# Altium PCB PCB1.PcbDoc (part 2 of 2)
Units mil, origin at the board's own origin, x right, y up, seen from the top; angles counter-clockwise.
Board outline 2485 x 2170 mil, 4 copper layers (Top Layer, Internal Plane 1, Internal Plane 2, Bottom Layer); 41 components, 55 nets, 243 pads, 38 vias.
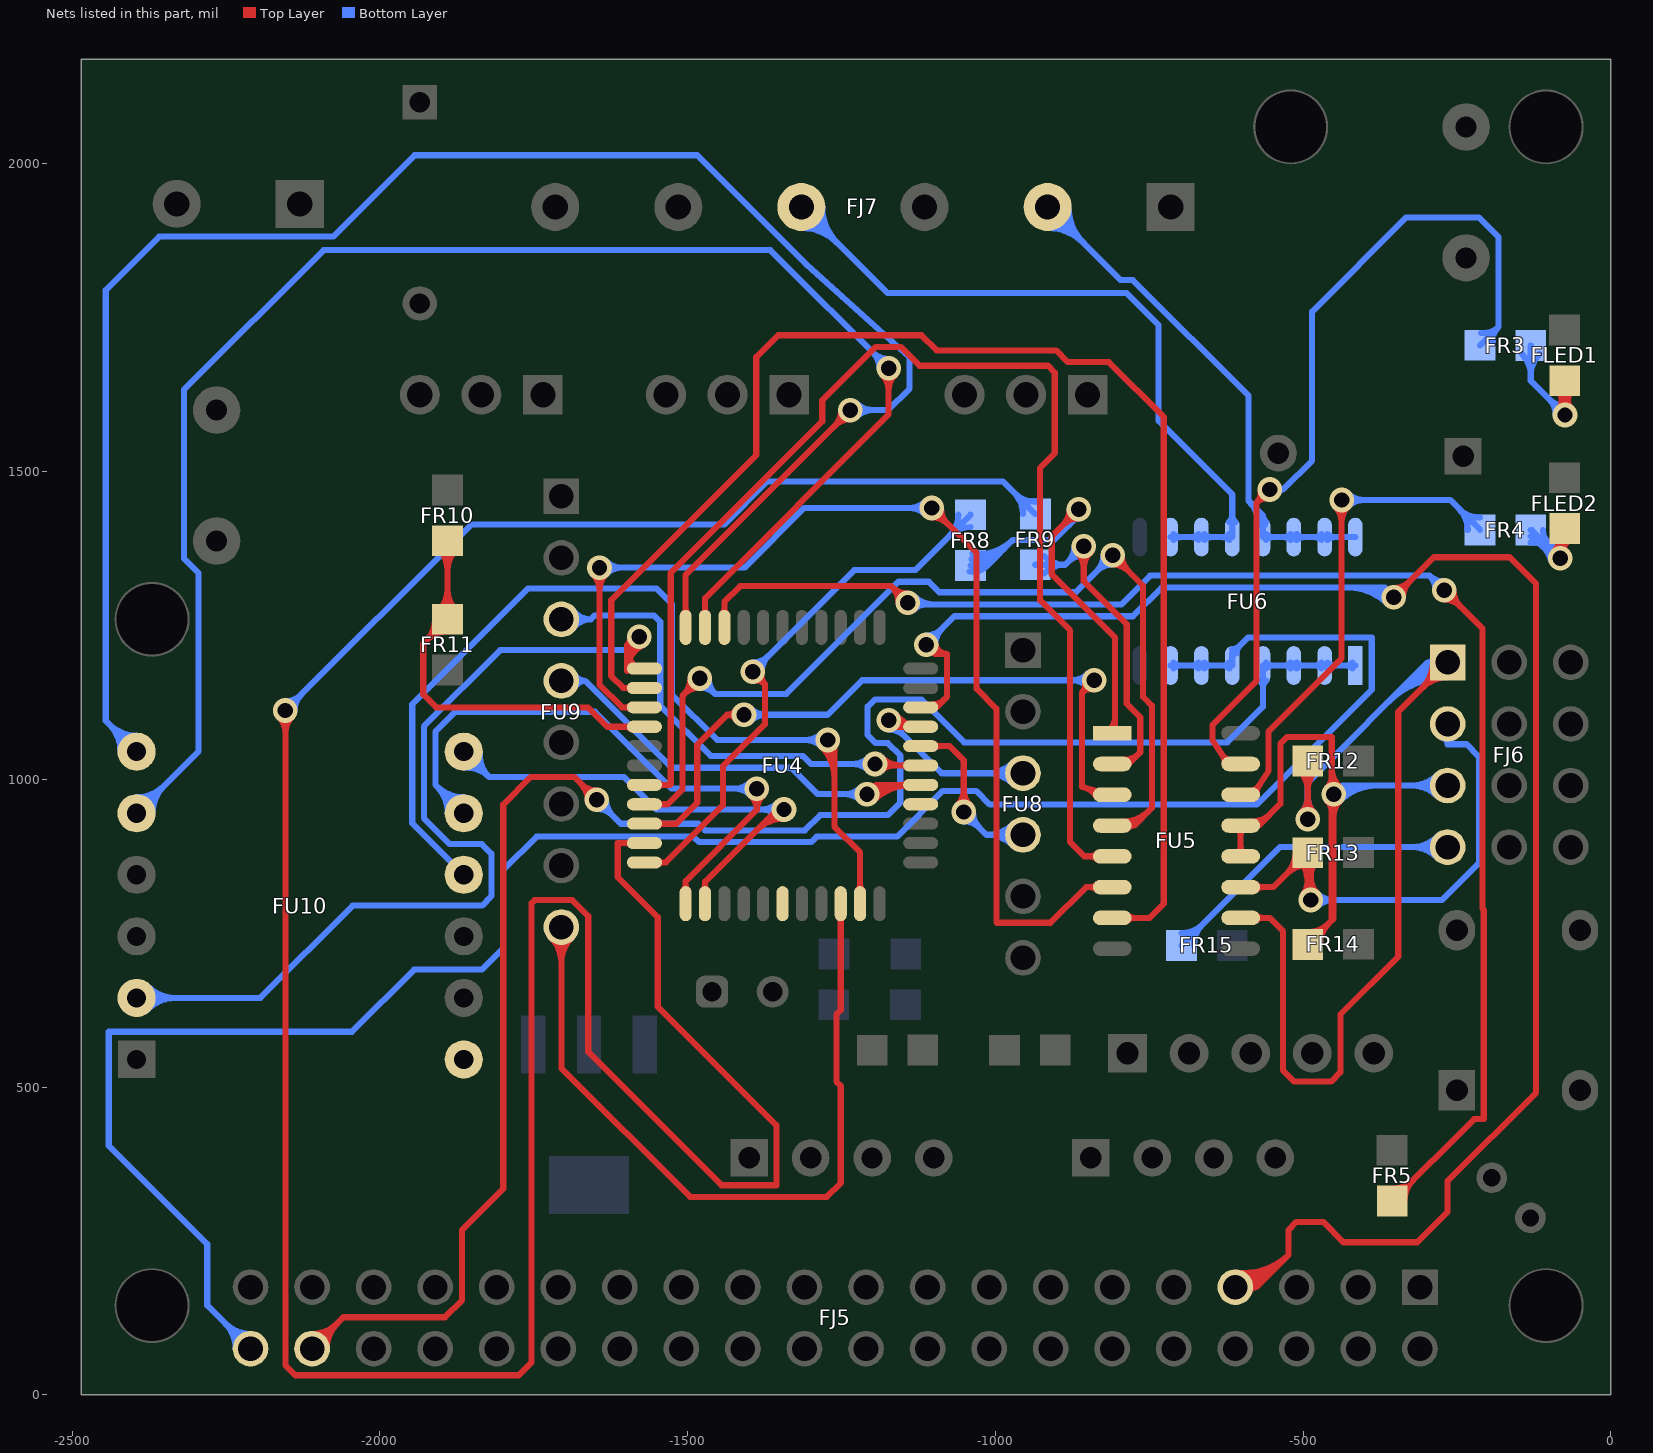
[diagram p4: the nets of this part, all layers, seen from the top]

## Via types
v1: diameter 40, hole 25, Top Layer to Bottom Layer, 38 vias

## Nets (pads, with @x,y where several pads share a name; then routed paths per layer and width w, separated by ;. In a path a pad name is that pad's centre, name@x,y a point inside that pad or via, vN(x,y) a via of type N, cw(c..) or ccw(c..) an arc to the next point about the centre after c; other vN are vias at no path point) (continued)
NetFJ5_7: FJ5.7 FU4.31 | length 3435.3
  Top Layer w10: FU4.31@-1121.18,1117.01 -1095.29,1117.01 -1078.64,1133.66 -1078.64,1203.84 ; v1(-1112.29,1218.99) -1112.29,1217.99 -1098.14,1203.84 ; v1@-1107.32,1219.54 ccw(c-1089.8,1221.47) -1089.8,1203.84 ; v1@-1106.14,1205.31 cw(c-1103.21,1198.78) -1098.14,1203.84 ; FU4.31@-1102.48,1121.85 ccw(c-1102.48,1150.89) -1081.94,1130.36 ; v1@-1099.22,1211.64 ccw(c-1093.54,1208.45) -1098.14,1203.84 ; v1@-1097.38,1220.64 ccw(c-1078.64,1222.7) -1078.64,1203.84 ; FJ5.7@-610.71,169.04 ccw(c-604.47,221.43) -567.16,184.12 ; FJ5.7@-610,175 -576.28,175 ; FJ5.7@-609.53,178.97 ccw(c-601.36,247.45) -552.6,198.69 ; FJ5.7@-608.34,188.9 ccw(c-598.26,273.48) -538.03,213.25 ; FJ5.7@-607.16,198.83 ccw(c-595.16,299.5) -523.47,227.81 ; FJ5.7@-587.32,167.14 cw(c-576.29,163.32) -576.29,175 ; FJ5.7@-587.32,182.86 ccw(c-576.29,186.68) -576.29,175 ; v1(-352.29,1295.99) -287.29,1360.99 -164.29,1360.99 -121.29,1317.99 -121.29,490.99 -265.29,346.99 -265.29,296.99 -314.29,247.99 -434.29,247.99 -467.19,280.89 -510.57,280.89 -523.47,267.99 -523.47,227.82 ; v1@-352.29,1310.99 ccw(c-352.29,1347.21) -326.69,1321.6 ccw(c-301.08,1295.99) v1@-337.29,1295.99 ; -1098.14,1203.84 -1078.64,1203.84 ; -576.28,175 -523.47,227.82
  Bottom Layer w10: v1(-1112.29,1218.99) -1066.29,1264.99 -776.29,1264.99 -729.79,1311.49 -367.29,1311.49 -352.29,1296.49 v1(-352.29,1295.99) ; v1@-1112.29,1233.99 ccw(c-1112.29,1270.21) -1086.69,1244.6 ccw(c-1061.08,1218.99) v1@-1097.29,1218.99 ; -425.93,1311.49 cw(c-425.93,1222.36) v1@-362.9,1285.39 ; -401.78,1311.49 cw(c-401.78,1246.5) v1@-355.83,1292.46 ; -377.64,1311.49 cw(c-377.64,1270.64) v1@-348.76,1299.53
NetFJ5_38: FJ5.38 FU6.1 FU6.2 FU6.3 FU6.4 | length 3373.1
  Top Layer w10: FJ5.38@-2110,75 -2059.01,125.99 -1894.29,125.99 -1866.29,153.99 -1866.29,267.99 -1799.29,334.99 -1799.29,958.99 -1754.29,1003.99 -1684.29,1003.99 v1(-1647.29,966.99) ; FJ5.38@-2110,89 ccw(c-2110,122.8) -2086.1,98.9 ccw(c-2062.2,75) FJ5.38@-2096,75 ; FJ5.38@-2110,99 ccw(c-2110,156.94) -2069.03,115.97 ccw(c-2028.06,75) FJ5.38@-2086,75 ; v1@-1662.29,966.99 ccw(c-1698.51,966.99) -1672.9,992.6 ccw(c-1647.29,1018.21) v1@-1647.29,981.99
  Bottom Layer w10: v1@-1647.29,951.99 cw(c-1647.29,915.78) -1621.69,941.39 cw(c-1596.08,966.99) v1@-1632.29,966.99 ; v1(-1647.29,966.99) -1608.29,927.99 -1482.29,927.99 -1471.29,916.99 -1309.29,916.99 -1284.29,941.99 -1174.29,941.99 -1154.29,961.99 -1154.29,1038.99 -1174.29,1058.99 -1194.29,1058.99 -1207.29,1071.99 -1207.29,1117.99 -1195.29,1129.99 -1120.29,1129.99 -1050.29,1059.99 -623,1059.99 -565,1117.99 FU6.4@-565,1185 FU6.3@-515,1185 FU6.2@-465,1185 FU6.1@-415,1185 ; FU6.4@-569.82,1160.5 cw(c-581.44,1148.87) -565,1148.87 cw(c-548.56,1148.87) FU6.4@-560.18,1160.5 ; FU6.4@-560.18,1180.18 cw(c-548.56,1168.56) -548.56,1185 cw(c-548.56,1201.44) FU6.4@-560.18,1189.82 ; FU6.3@-519.82,1180.18 ccw(c-531.44,1168.56) -531.44,1185 ccw(c-531.44,1201.44) FU6.3@-519.82,1189.82 ; FU6.3@-510.18,1180.18 cw(c-498.56,1168.56) -498.56,1185 cw(c-498.56,1201.44) FU6.3@-510.18,1189.82 ; FU6.2@-469.82,1180.18 ccw(c-481.44,1168.56) -481.44,1185 ccw(c-481.44,1201.44) FU6.2@-469.82,1189.82 ; FU6.2@-460.18,1180.18 cw(c-448.56,1168.56) -448.56,1185 cw(c-448.56,1201.44) FU6.2@-460.18,1189.82 ; FU6.1@-419.82,1180.18 ccw(c-431.44,1168.56) -431.44,1185 ccw(c-431.44,1201.44) FU6.1@-419.82,1189.82
NetFJ5_40: FJ5.40 FU6.5 FU6.6 FU6.7 | length 3708.3
  Bottom Layer w10: FJ5.40@-2234,75 ccw(c-2291.94,75) -2250.97,115.97 ccw(c-2210,156.94) FJ5.40@-2210,99 ; FJ5.40@-2224,75 ccw(c-2257.8,75) -2233.9,98.9 ccw(c-2210,122.8) FJ5.40@-2210,89 ; FJ5.40@-2210,75 -2280.29,145.29 -2280.29,244.99 -2440.29,404.99 -2440.29,589.99 -2045.29,589.99 -1944.29,690.99 -1834.29,690.99 -1799.5,725.78 -1799.5,852.78 -1745.29,906.99 -1490.29,906.99 -1481.29,897.99 -1299.29,897.99 -1290.29,906.99 -1159.56,906.99 -1085.29,981.26 -1031.08,981.26 -1008.81,958.99 -574.85,958.99 -388.29,1145.55 -388.29,1230.5 -589.49,1230.5 -615,1204.99 FU6.5@-615,1185 FU6.6@-665,1185 FU6.7@-715,1185 ; FU6.7@-710.18,1180.18 cw(c-698.56,1168.56) -698.56,1185 cw(c-698.56,1201.44) FU6.7@-710.18,1189.82 ; FU6.6@-669.82,1180.18 ccw(c-681.44,1168.56) -681.44,1185 ccw(c-681.44,1201.44) FU6.6@-669.82,1189.82 ; FU6.6@-660.18,1180.18 cw(c-648.56,1168.56) -648.56,1185 cw(c-648.56,1201.44) FU6.6@-660.18,1189.82 ; FU6.5@-619.82,1180.18 ccw(c-631.44,1168.56) -631.44,1185 ccw(c-631.44,1201.44) FU6.5@-619.82,1189.82 ; FU6.5@-615,1211.5 ccw(c-615,1227.2) -603.9,1216.1 ; FU6.5@-608.19,1204.69 cw(c-591,1204.69) -603.16,1216.84
NetFJ6_1: FJ6.1 FR12.2 FU5.10 | length 2308.1
  Top Layer w10: FU5.10@-601.34,775 -554.29,775 -532.29,753 -532.29,526.99 -514.29,508.99 -454.29,508.99 -439.29,523.99 -439.29,617.99 -345.29,711.99 -345.29,1109.71 FJ6.1@-265,1190 ; FU5.10@-576.84,770.18 cw(c-565.21,758.56) -565.21,775 cw(c-565.21,791.44) FU5.10@-576.84,779.82 ; FR12.2@-506.44,1015.66 cw(c-540.58,981.52) -492.3,981.52 cw(c-444.02,981.52) FR12.2@-478.16,1015.66 ; v1@-502.91,945.6 ccw(c-528.51,971.21) -492.3,971.21 ccw(c-456.09,971.21) v1@-481.69,945.6 ; v1(-492.3,934.99) FR12.2@-492.3,1029.8 ; FJ6.1@-289,1190 cw(c-346.94,1190) -305.97,1149.03 cw(c-265,1108.06) FJ6.1@-265,1166 ; FJ6.1@-279,1190 cw(c-312.8,1190) -288.9,1166.1 cw(c-265,1142.2) FJ6.1@-265,1176
  Bottom Layer w10: v1@-502.91,945.6 ccw(c-528.51,971.21) -492.3,971.21 ccw(c-456.09,971.21) v1@-481.69,945.6 ; v1(-492.3,934.99) -492.3,994.87 -297.17,1190 ; -360.88,1126.28 cw(c-265,1030.4) FJ6.1@-265,1166 ; -343.81,1143.36 cw(c-265,1064.55) FJ6.1@-265,1176 ; -326.74,1160.43 cw(c-265,1098.69) FJ6.1@-265,1186 ; -309.67,1177.5 cw(c-265,1132.83) FJ6.1@-265,1196 ; FJ6.1@-288.01,1183.17 ccw(c-297.17,1180.45) -297.17,1190 ; FJ6.1@-288.01,1196.83 cw(c-297.17,1199.55) -297.17,1190 ; FJ6.1@-265,1190 -297.17,1190
NetFJ6_4: FJ6.4 FR13.2 FU5.11 | length 1221.9
  Top Layer w10: FU5.11@-601.34,825 -548.1,825 FR13.2@-492.3,880.8 -487.29,875.79 v1(-487.29,803.99) ; FU5.11@-576.84,820.18 cw(c-565.21,808.56) -565.21,825 cw(c-565.21,841.44) FU5.11@-576.84,829.82 ; FR13.2@-512.3,880.8 cw(c-560.58,880.8) -526.44,846.66 cw(c-492.3,812.52) FR13.2@-492.3,860.8 ; FR13.2@-506.44,866.66 cw(c-552.67,820.43) v1@-487.29,820.43 ; v1@-499.69,812.43 ccw(c-533.3,835.3) -494.01,845.73 ; FR13.2@-499.37,873.73 cw(c-528.53,844.57) -487.29,844.57 cw(c-456.11,844.61) FR13.2@-478.16,866.66 ; v1@-497.9,814.6 ccw(c-523.51,840.21) -487.29,840.21 ccw(c-451.08,840.21) v1@-476.69,814.6 ; v1@-491.43,806.8 ccw(c-509.36,819.01) -488.39,824.58 ; -489.9,830.23 ccw(c-468.82,835.83) v1@-479.76,816.97
  Bottom Layer w10: v1(-487.29,803.99) -274.29,803.99 -214.29,863.99 -214.29,1036.99 -234.29,1056.99 -265,1056.99 ; v1@-476.69,793.39 cw(c-451.08,767.78) -451.08,803.99 cw(c-451.08,840.21) v1@-476.69,814.6 ; FJ6.4@-265,1090 -265,1056.99 ; -265,1056.99 cw(c-254.3,1056.99) -257.6,1067.17 ccw(c-254.3,1056.99) -265,1056.99 ; -265,1056.99 ccw(c-275.7,1056.99) -272.4,1067.17 cw(c-275.7,1056.99) -265,1056.99
NetFJ6_7: FJ6.7 FR14.2 FU5.12 FU5.13 | length 1680.5
  Top Layer w10: FU5.12@-606.15,879.82 ccw(c-617.78,891.44) -601.34,891.44 ccw(c-584.89,891.44) FU5.12@-596.52,879.82 ; FU5.13@-606.15,920.18 cw(c-617.78,908.56) -601.34,908.56 cw(c-584.89,908.56) FU5.13@-596.52,920.18 ; FU5.12@-601.34,875 FU5.13@-601.34,925 -572,925 -536.84,960.16 -536.84,1057.99 -525.84,1068.99 -453.29,1068.99 -453.29,770.81 ; FU5.13@-581.65,931.81 ccw(c-581.65,971.55) -553.55,943.45 ; FR14.2@-492.3,731.8 -453.29,770.81 ; FR14.2@-492.3,751.8 ccw(c-492.3,800.08) -458.16,765.94 ccw(c-424.02,731.8) FR14.2@-472.3,731.8 ; v1@-460.9,986.6 ccw(c-479.26,1004.96) -453.29,1004.96 ; -453.29,932.54 cw(c-406.84,932.54) -439.69,965.39 ccw(c-414.08,939.78) -450.29,939.78 ccw(c-486.51,939.78) -460.9,965.39 cw(c-479.26,947.02) -453.29,947.02 ; -453.29,1019.45 ccw(c-406.84,1019.45) v1@-439.69,986.6 ; v1(-450.29,975.99) -450.29,773.81 -453.29,770.81
  Bottom Layer w10: v1@-453.83,979.53 cw(c-428.54,954.24) -428.54,990 ; v1(-450.29,975.99) -436.28,990 FJ6.7@-265,990 ; v1@-446.76,972.46 cw(c-404.4,930.1) -404.4,990 ; v1@-439.69,965.39 cw(c-380.26,905.96) -380.26,990 ; FJ6.7@-281.97,973.03 ccw(c-322.94,932.06) -322.94,990 ccw(c-322.94,1047.94) FJ6.7@-281.97,1006.97 ; FJ6.7@-274.9,980.1 ccw(c-298.8,956.2) -298.8,990 ccw(c-298.8,1023.8) FJ6.7@-274.9,999.9
NetFJ6_10: FJ6.10 FR15.2 | length 718.4
  Bottom Layer w10: FR15.2@-697.3,730.2 -537.5,890 FJ6.10@-265,890 ; FR15.2@-697.3,750.2 ccw(c-697.3,798.48) -663.16,764.34 ccw(c-629.02,730.2) FR15.2@-677.3,730.2 ; FJ6.10@-281.97,873.03 ccw(c-322.94,832.06) -322.94,890 ccw(c-322.94,947.94) FJ6.10@-281.97,906.97 ; FJ6.10@-274.9,880.1 ccw(c-298.8,856.2) -298.8,890 ccw(c-298.8,923.8) FJ6.10@-274.9,899.9
NetFJ7_2: FJ7.2 FU6.13 FU6.14 FU6.15 FU6.16 | length 1281.1
  Bottom Layer w10: FJ7.2@-915,1896 cw(c-915,1813.92) -856.96,1871.96 cw(c-798.92,1930) FJ7.2@-881,1930 ; FJ7.2@-915,1906 cw(c-915,1848.06) -874.03,1889.03 cw(c-833.06,1930) FJ7.2@-891,1930 ; FJ7.2@-915,1930 -796.18,1811.18 -776.23,1811.18 -588.48,1623.42 -588.48,1452.3 -565,1428.82 ; -587.57,1451.39 cw(c-625.61,1413.35) FU6.13@-571.81,1413.35 ; -570.5,1434.32 cw(c-591.47,1413.35) FU6.13@-561.81,1413.35 ; FU6.13@-569.6,1418.37 ccw(c-579.17,1428.82) -565,1428.82 ; FU6.13@-560.4,1418.37 cw(c-550.83,1428.82) -565,1428.82 ; FU6.13@-560.18,1388.85 cw(c-548.56,1377.22) -548.56,1393.66 cw(c-548.56,1410.11) FU6.13@-560.18,1398.48 ; FU6.14@-519.82,1388.85 ccw(c-531.44,1377.22) -531.44,1393.66 ccw(c-531.44,1410.11) FU6.14@-519.82,1398.48 ; FU6.14@-510.18,1388.85 cw(c-498.56,1377.22) -498.56,1393.66 cw(c-498.56,1410.11) FU6.14@-510.18,1398.48 ; FU6.15@-469.82,1388.85 ccw(c-481.44,1377.22) -481.44,1393.66 ccw(c-481.44,1410.11) FU6.15@-469.82,1398.48 ; FU6.15@-460.18,1388.85 cw(c-448.56,1377.22) -448.56,1393.66 cw(c-448.56,1410.11) FU6.15@-460.18,1398.48 ; FU6.16@-415,1393.66 FU6.15@-465,1393.66 FU6.14@-515,1393.66 FU6.13@-565,1393.66 -565,1428.82
NetFJ7_4: FJ7.4 FU6.10 FU6.11 FU6.12 | length 1503
  Bottom Layer w10: FJ7.4@-1315,1896 cw(c-1315,1813.92) -1256.96,1871.96 cw(c-1198.92,1930) FJ7.4@-1281,1930 ; FJ7.4@-1315,1906 cw(c-1315,1848.06) -1274.03,1889.03 cw(c-1233.06,1930) FJ7.4@-1291,1930 ; FJ7.4@-1315,1930 -1174.99,1789.99 -786.5,1789.99 -734.5,1737.99 -734.5,1582.49 -615,1462.99 FU6.12@-615,1393.66 FU6.11@-665,1393.66 FU6.10@-715,1393.66 ; FU6.10@-710.18,1388.85 cw(c-698.56,1377.22) -698.56,1393.66 cw(c-698.56,1410.11) FU6.10@-710.18,1398.48 ; FU6.11@-669.82,1388.85 ccw(c-681.44,1377.22) -681.44,1393.66 ccw(c-681.44,1410.11) FU6.11@-669.82,1398.48 ; FU6.11@-660.18,1388.85 cw(c-648.56,1377.22) -648.56,1393.66 cw(c-648.56,1410.11) FU6.11@-660.18,1398.48 ; FU6.12@-619.82,1388.85 ccw(c-631.44,1377.22) -631.44,1393.66 ccw(c-631.44,1410.11) FU6.12@-619.82,1398.48 ; FU6.12@-619.82,1418.16 ccw(c-631.44,1429.79) -615,1429.79 ccw(c-598.56,1429.79) FU6.12@-610.18,1418.16
NetFLED1_K: FLED1.2 FR3.1 | length 555.8
  Top Layer w10: FLED1.2@-88.94,1633.56 cw(c-124.31,1598.19) v1@-74.29,1598.19 ; v1@-85.01,1602.49 ccw(c-98.43,1615.65) -80.27,1620.51 ccw(c-57.77,1626.54) v1@-67.82,1605.52 ; v1@-84.9,1602.6 ccw(c-110.51,1628.21) -74.29,1628.21 ccw(c-38.08,1628.21) v1@-63.69,1602.6 ; FLED1.2@-81.87,1640.63 cw(c-100.17,1622.33) -74.29,1622.33 ; v1@-81.07,1605.37 ccw(c-91.63,1626.22) -69.06,1620.17 ccw(c-52.35,1615.69) v1@-64.1,1603 ; FLED1.2@-74.8,1647.7 -74.29,1647.19 v1(-74.29,1591.99) ; v1@-74.29,1600.64 cw(c-27.74,1600.64) FLED1.2@-60.66,1633.56
  Bottom Layer w10: FR3.1@-144.14,1690.86 cw(c-178.28,1656.72) -130,1656.72 cw(c-81.72,1656.72) FR3.1@-115.86,1690.86 ; FR3.1@-130,1705 -130,1647.7 v1(-74.29,1591.99) ; v1@-89.29,1591.99 ccw(c-125.51,1591.99) -99.9,1617.6 ccw(c-74.29,1643.21) v1@-74.29,1606.99
NetFLED2_K: FLED2.2 FR4.1 | length 609.1
  Top Layer w10: v1@-92.9,1369.6 ccw(c-118.51,1395.21) -82.29,1395.21 ccw(c-46.08,1395.21) v1@-71.69,1369.6 ; FLED2.2@-88.94,1393.56 cw(c-105,1377.5) v1@-82.29,1377.5 ; v1@-88.79,1372.51 ccw(c-95.35,1386.18) -80.71,1382.25 ccw(c-72.81,1380.14) v1@-76.16,1372.68 ; v1@-87.25,1373.15 ccw(c-89.36,1379.18) -83.19,1380.84 ccw(c-71.21,1384.05) v1@-76.23,1372.71 ; v1@-82.29,1358.42 cw(c-44.38,1358.42) FLED2.2@-64.29,1390.68 ; v1(-82.29,1358.99) -82.29,1400.21 FLED2.2@-74.8,1407.7 ; v1@-82.29,1376.35 cw(c-55.45,1376.35) FLED2.2@-69.55,1399.19
  Bottom Layer w10: FR4.1@-130,1385 cw(c-130,1332.61) v1@-92.96,1369.66 ; FR4.1@-130,1395 cw(c-130,1366.75) FR4.1@-110.03,1386.73 ; FR4.1@-130,1405 -128.3,1405 v1(-82.29,1358.99) ; FR4.1@-118.39,1384.34 cw(c-141.15,1344.93) v1@-96.88,1355.51 ; FR4.1@-110.05,1396.27 ccw(c-68.99,1419.97) v1@-79.1,1373.65 ; FR4.1@-110,1405 ccw(c-65.82,1405) -97.06,1373.76 ; -103.54,1375.77 ccw(c-92.1,1395.59) v1@-86.17,1373.48 ; -98.74,1376.67 ccw(c-75.51,1390.09) v1@-81.23,1363.88 ; -98.55,1376.35 cw(c-113.93,1367.47) v1@-96.78,1362.87 ; -98.26,1372.72 cw(c-110.01,1352.37) v1@-87.16,1357.83 ; v1@-97.29,1358.99 ccw(c-133.51,1358.99) -107.9,1384.6 ccw(c-82.29,1410.21) v1@-82.29,1373.99
NetFR3_2: FR3.2 FU5.15 | length 1559.4
  Top Layer w10: -630.59,1039.03 ccw(c-616.25,1048.54) FU5.15@-619.67,1031.68 ; -630,1038.13 cw(c-643.06,1029.47) FU5.15@-627.7,1026.35 ; FU5.15@-601.34,1025 -621.29,1025 -646.83,1063.53 -646.83,1088.45 -575.29,1159.99 -575.29,1449.99 ; v1@-569.12,1468.75 cw(c-590.77,1465.48) -575.29,1449.99 ; v1@-556.53,1456.16 ccw(c-559.81,1434.51) -575.29,1449.99 ; v1(-554.29,1470.99) -575.29,1449.99
  Bottom Layer w10: v1(-554.29,1470.99) -532.29,1470.99 ; v1@-540.33,1465.51 cw(c-532.29,1462.36) -532.29,1470.99 ; v1@-540.33,1476.47 ccw(c-532.29,1479.62) -532.29,1470.99 ; FR3.2@-212.3,1705.2 -182.29,1735.21 ; FR3.2@-210.39,1725.11 ccw(c-207.06,1759.97) -182.29,1735.21 ; FR3.2@-192.39,1707.11 cw(c-157.53,1710.44) -182.29,1735.21 ; -532.29,1470.99 -485.29,1517.99 -485.29,1759.99 -332.29,1912.99 -214.29,1912.99 -182.29,1880.99 -182.29,1735.21
NetFR4_2: FR4.2 FU5.14 | length 1016.4
  Top Layer w10: FU5.14@-601.34,975 -581.29,975 -555.84,1013.44 -555.84,1077.99 -437.29,1196.54 v1(-437.29,1453.99) ; FU5.14@-583.01,981.67 ccw(c-586.49,998.79) -571.92,989.15 ; FU5.14@-574.98,976.36 cw(c-559.87,979.43) -572.73,987.94 ; v1@-447.9,1443.39 cw(c-473.51,1417.78) -437.29,1417.78 cw(c-401.08,1417.78) v1@-426.69,1443.39
  Bottom Layer w10: v1(-437.29,1453.99) -261.09,1453.99 FR4.2@-212.3,1405.2 ; v1@-426.69,1443.39 cw(c-401.08,1417.78) -401.08,1453.99 cw(c-401.08,1490.21) v1@-426.69,1464.6 ; FR4.2@-232.3,1405.2 ccw(c-280.58,1405.2) -246.44,1439.34 ccw(c-212.3,1473.48) FR4.2@-212.3,1425.2
NetFR5_1: FR5.1 FU4.42 | length 2669.2
  Top Layer w10: FU4.42@-1443.5,1269.05 ccw(c-1451.77,1277.32) -1440.08,1277.32 ccw(c-1428.39,1277.32) FU4.42@-1436.65,1269.05 ; FU4.42@-1440.08,1246.93 -1440.08,1288.21 -1414.29,1313.99 -1169.29,1313.99 v1(-1142.29,1286.99) ; v1@-1157.29,1286.99 ccw(c-1193.51,1286.99) -1167.9,1312.6 ccw(c-1142.29,1338.21) v1@-1142.29,1301.99 ; FR5.1@-355,315 -222.01,447.99 -206.29,447.99 -206.29,787.99 -208.29,789.99 -208.29,1244.99 v1(-270.29,1306.99) ; FR5.1@-355,335 ccw(c-355,383.28) -320.86,349.14 ccw(c-286.72,315) FR5.1@-335,315 ; v1@-270.29,1291.99 cw(c-270.29,1255.78) -244.69,1281.39 cw(c-219.08,1306.99) v1@-255.29,1306.99
  Bottom Layer w10: v1(-1142.29,1286.99) -1139.29,1283.99 -795.29,1283.99 -748.29,1330.99 -294.29,1330.99 ; v1@-1131.69,1276.39 cw(c-1113.32,1258.02) -1113.32,1283.99 ; v1@-1131.69,1297.6 ccw(c-1098.84,1330.45) -1098.84,1283.99 ; v1@-285.28,1307.7 ccw(c-316.14,1309.14) -294.29,1330.99 ; v1@-271,1321.98 cw(c-272.44,1352.84) -294.29,1330.99 ; v1(-270.29,1306.99) -294.29,1330.99
NetFR8_1: FR8.1 FU4.11 | length 1068
  Top Layer w10: FU4.11@-1570,865.04 -1535.41,865.04 -1442.46,957.99 -1442.46,1021.13 -1374.29,1089.3 -1374.29,1154.99 ; FU4.11@-1547.88,861.62 cw(c-1539.61,853.35) -1539.61,865.04 cw(c-1539.61,876.73) FU4.11@-1547.88,868.46 ; v1(-1394.29,1174.99) -1374.29,1154.99 ; v1@-1391.46,1160.26 cw(c-1387.84,1141.44) -1374.29,1154.99 ; v1@-1379.56,1172.16 ccw(c-1360.74,1168.54) -1374.29,1154.99
  Bottom Layer w10: v1(-1394.29,1174.99) -1229.29,1339.99 -1130.01,1339.99 FR8.1@-1040,1430 ; v1@-1394.29,1189.99 ccw(c-1394.29,1226.21) -1368.69,1200.6 ccw(c-1343.08,1174.99) v1@-1379.29,1174.99 ; FR8.1@-1060,1430 cw(c-1108.28,1430) -1074.14,1395.86 cw(c-1040,1361.72) FR8.1@-1040,1410
NetFR8_2: FR8.2 FU5.1 | length 1045.9
  Top Layer w10: v1@-879.29,1438.99 cw(c-915.51,1438.99) -889.9,1413.39 cw(c-864.29,1387.78) v1@-864.29,1423.99 ; v1(-864.29,1438.99) -908.29,1394.99 -908.29,1332.99 -805.29,1229.99 -805.29,1075 FU5.1@-810,1075 ; FU5.1@-814.82,1079.82 ccw(c-837.81,1102.81) -805.29,1102.81
  Bottom Layer w10: FR8.2@-1041.73,1337.82 ccw(c-1036.64,1370.7) -1013.11,1347.17 ; FR8.2@-1038.67,1357.58 ccw(c-1029.17,1418.99) -985.23,1375.05 ; FR8.2@-1037.14,1367.46 ccw(c-1025.43,1443.13) -971.29,1388.99 ; FR8.2@-1021.2,1341.46 cw(c-1012.58,1338.63) -1012.58,1347.7 ; FR8.2@-1021.2,1353.94 ccw(c-1012.58,1356.77) -1012.58,1347.7 ; -999.17,1361.11 cw(c-1032.91,1394.84) FR8.2@-1040.2,1347.7 -1012.58,1347.7 ; -896.97,1396.31 ccw(c-939.65,1438.99) v1@-879.29,1438.99 ; -879.9,1413.39 ccw(c-905.51,1438.99) v1@-869.29,1438.99 ; -872.83,1420.46 cw(c-864.29,1411.92) v1@-864.29,1423.99 ; v1(-864.29,1438.99) -864.29,1428.99 -904.29,1388.99 -971.29,1388.99 ; -1012.58,1347.7 -971.29,1388.99
NetFR9_1: FR9.1 FU4.10 | length 5255.1
  Top Layer w10: v1@-2163.9,1101.39 cw(c-2189.51,1075.78) -2153.29,1075.78 cw(c-2117.08,1075.78) v1@-2142.69,1101.39 ; v1(-2153.29,1111.99) -2153.29,47.99 -2137.29,31.99 -1774.29,31.99 -1753.29,52.99 -1753.29,798.99 -1748.29,803.99 -1687.29,803.99 -1661.29,777.99 -1661.29,557.27 -1444.51,340.49 -1355.49,340.49 -1355.49,437.99 -1548.29,630.8 -1548.29,776.2 -1613.29,841.2 -1613.29,896.54 FU4.10@-1570,896.54 ; FU4.10@-1592.12,893.11 ccw(c-1600.39,884.85) -1600.39,896.54 ccw(c-1600.39,908.23) FU4.10@-1592.12,899.96
  Bottom Layer w10: v1(-2153.29,1111.99) -1851.29,1413.99 -1440.29,1413.99 -1370.29,1483.99 -987.79,1483.99 FR9.1@-934.8,1431.01 ; v1@-2153.29,1126.99 ccw(c-2153.29,1163.21) -2127.69,1137.6 ccw(c-2102.08,1111.99) v1@-2138.29,1111.99 ; FR9.1@-954.8,1431.01 ccw(c-1003.08,1431.01) -968.94,1465.15 ccw(c-934.8,1499.29) FR9.1@-934.8,1451.01
NetFR9_2: FR9.2 FU5.2 | length 733.6
  Top Layer w10: v1@-866.9,1368.39 cw(c-892.51,1342.78) -856.29,1342.78 cw(c-820.08,1342.78) v1@-845.69,1368.39 ; v1(-856.29,1378.99) -856.29,1321.99 -786.29,1251.99 -786.29,1122.78 -764.5,1100.99 -764.5,1043.79 -783.29,1025 FU5.2@-810,1025 ; FU5.2@-790.32,1031.81 ccw(c-790.32,1065.21) -766.7,1041.59
  Bottom Layer w10: FR9.2@-935,1348.71 -886.58,1348.71 v1(-856.29,1378.99) ; FR9.2@-920.86,1334.56 cw(c-886.72,1300.42) -886.72,1348.71 cw(c-886.72,1396.99) FR9.2@-920.86,1362.85 ; v1@-871.29,1378.99 cw(c-907.51,1378.99) -881.9,1353.39 cw(c-856.29,1327.78) v1@-856.29,1363.99
NetFR10_2: FR10.2 FR11.1 FU4.4 | length 893
  Top Layer w10: FR11.1@-1910,1260 cw(c-1958.28,1260) -1924.14,1225.86 cw(c-1890,1191.72) FR11.1@-1890,1240 ; FR11.1@-1904.14,1274.14 ccw(c-1938.28,1308.28) -1890,1308.28 ccw(c-1841.72,1308.28) FR11.1@-1875.86,1274.14 ; FR10.2@-1903.94,1373.56 cw(c-1938.08,1339.42) -1889.8,1339.42 cw(c-1841.52,1339.42) FR10.2@-1875.66,1373.56 ; FR10.2@-1889.8,1387.7 -1889.8,1323.19 -1890,1322.99 FR11.1@-1890,1260 -1929.29,1220.71 -1929.29,1137.99 -1908.3,1117 -1662,1117 -1630.51,1085.51 FU4.4@-1570,1085.51 ; FU4.4@-1592.12,1082.09 ccw(c-1600.39,1073.82) -1600.39,1085.51 ccw(c-1600.39,1097.2) FU4.4@-1592.12,1088.94
NetFU4_1: FU4.1 FU10.2 | length 1913.1
  Top Layer w10: -1598.29,1176.29 cw(c-1551.46,1176.29) v1@-1571.78,1218.48 ; -1598.29,1190.7 ccw(c-1578,1190.7) FU4.1@-1592.35,1176.35 ; -1598.29,1192.2 cw(c-1559.13,1192.2) v1@-1576.12,1227.49 ; -1598.29,1208.12 cw(c-1566.79,1208.12) v1@-1580.46,1236.5 ; -1598.29,1214.85 ccw(c-1553.85,1214.85) FU4.1@-1585.28,1183.42 ; v1@-1593.27,1231.15 cw(c-1610.48,1230.18) -1598.29,1217.99 ; v1@-1586.32,1219.32 ccw(c-1591.48,1211.18) -1598.29,1217.99 ; v1(-1578.29,1231.99) -1584.29,1231.99 -1598.29,1217.99 ; FU4.1@-1570,1180 -1598.29,1180 -1598.29,1217.99
  Bottom Layer w10: FU10.2@-2395,645 -2194.28,645 -2044.29,794.99 -1833.82,794.99 -1818.5,810.3 -1818.5,879.2 -1834.29,894.99 -1886.29,894.99 -1928.29,936.99 -1928.29,1085.99 -1804.29,1209.99 -1600.29,1209.99 ; FU10.2@-2383.69,633.69 cw(c-2356.37,606.37) -2356.37,645 cw(c-2356.37,683.63) FU10.2@-2383.69,656.31 ; FU10.2@-2376.62,626.62 cw(c-2332.23,582.23) -2332.23,645 cw(c-2332.23,707.77) FU10.2@-2376.62,663.38 ; v1@-1593.2,1230.3 cw(c-1617.8,1227.5) -1600.29,1209.99 ; v1@-1579.99,1217.09 ccw(c-1582.78,1192.48) -1600.29,1209.99 ; v1(-1578.29,1231.99) -1600.29,1209.99
NetFU4_2: FU4.2 FU5.7 | length 2338.1
  Top Layer w10: FU4.2@-1592.12,1145.08 ccw(c-1600.39,1136.81) -1600.39,1148.5 ccw(c-1600.39,1160.19) FU4.2@-1592.12,1151.93 ; FU4.2@-1570,1148.5 -1604.8,1148.5 -1624,1167.7 -1624,1291.28 -1388.29,1526.99 -1388.29,1685.99 -1352.59,1721.69 -1120.01,1721.69 -1095.31,1696.99 -901.29,1696.99 -882.29,1677.99 -815.29,1677.99 -726.29,1588.99 -726.29,797.99 -749.28,775 FU5.7@-810,775 ; FU5.7@-785.5,770.18 cw(c-773.87,758.56) -773.87,775 cw(c-773.87,791.44) FU5.7@-785.5,779.82
NetFU4_3: FU4.3 FU5.6 | length 2059.2
  Top Layer w10: v1@-1653.61,1333.39 cw(c-1679.21,1307.78) -1643,1307.78 cw(c-1606.79,1307.78) v1@-1632.39,1333.39 ; v1(-1643,1343.99) -1643,1153.7 -1606.31,1117.01 FU4.3@-1570,1117.01 ; FU4.3@-1592.12,1113.58 ccw(c-1600.39,1105.32) -1600.39,1117.01 ccw(c-1600.39,1128.7) FU4.3@-1592.12,1120.43 ; v1@-1103.29,1425.99 cw(c-1103.29,1389.78) -1077.69,1415.39 cw(c-1052.08,1440.99) v1@-1088.29,1440.99 ; v1(-1103.29,1440.99) -1030.29,1367.99 -1030.29,1146.92 -998,1114.63 -998,767.99 -997,766.99 -910.29,766.99 -852.28,825 FU5.6@-810,825 ; FU5.6@-834.5,820.18 ccw(c-846.13,808.56) -846.13,825 ccw(c-846.13,841.44) FU5.6@-834.5,829.82
  Bottom Layer w10: v1(-1643,1343.99) -1407.29,1343.99 -1310.29,1440.99 v1(-1103.29,1440.99) ; v1@-1632.39,1333.39 cw(c-1606.79,1307.78) -1606.79,1343.99 cw(c-1606.79,1380.21) v1@-1632.39,1354.6 ; v1@-1113.9,1430.39 ccw(c-1139.51,1404.78) -1139.51,1440.99 ccw(c-1139.51,1477.21) v1@-1113.9,1451.6
NetFU4_7: FU4.7 FU5.5 | length 2115.3
  Top Layer w10: FU4.7@-1570,991.02 -1528.26,991.02 -1527.29,991.99 -1527.29,1335.46 -1281.11,1581.64 -1281.11,1615.87 -1194.29,1702.69 -1153.72,1702.69 -1123.01,1671.99 -914.29,1671.99 -903.29,1660.99 -903.29,1529.99 -927.29,1505.99 -927.29,1290.99 -878.29,1241.99 -878.29,897.99 -855.3,875 FU5.5@-810,875 ; FU4.7@-1547.88,987.6 cw(c-1539.61,979.33) -1539.61,991.02 cw(c-1539.61,1002.71) FU4.7@-1547.88,994.45 ; FU5.5@-834.5,870.18 ccw(c-846.13,858.56) -846.13,875 ccw(c-846.13,891.44) FU5.5@-834.5,879.82
NetFU4_8: FU4.8 FU5.4 | length 1901.7
  Top Layer w10: FU4.8@-1570,959.53 -1532.29,959.53 -1508.29,983.53 -1508.29,1135.99 v1(-1480.29,1163.99) ; FU4.8@-1547.88,956.1 cw(c-1539.61,947.84) -1539.61,959.53 cw(c-1539.61,971.22) FU4.8@-1547.88,962.95 ; v1@-1495.29,1163.99 cw(c-1531.51,1163.99) -1505.9,1138.39 cw(c-1480.29,1112.78) v1@-1480.29,1148.99 ; FU5.4@-810,925 -774.29,925 ; v1@-809.29,1348.99 cw(c-809.29,1312.78) -783.69,1338.39 cw(c-758.08,1363.99) v1@-794.29,1363.99 ; v1(-809.29,1363.99) -759.96,1314.66 -759.96,1134.27 -745.5,1119.81 -745.5,953.79 -774.29,925 ; FU5.4@-790.32,921.81 ccw(c-790.32,952.79) -768.41,930.89 ; FU5.4@-790.32,931.81 ccw(c-790.32,986.94) -751.33,947.96 ; FU5.4@-785.41,920.27 cw(c-774.29,909.56) -774.29,925 ; FU5.4@-785.41,929.73 ccw(c-774.29,940.44) -774.29,925
  Bottom Layer w10: v1(-1480.29,1163.99) -1455.29,1138.99 ; v1@-1480.03,1148.99 cw(c-1479.45,1114.84) -1455.29,1138.99 ; v1@-1465.29,1163.73 ccw(c-1431.14,1163.15) -1455.29,1138.99 ; v1@-824.29,1363.99 cw(c-860.51,1363.99) -834.9,1338.39 cw(c-809.29,1312.78) v1@-809.29,1348.99 ; v1(-809.29,1363.99) -869.27,1304.02 -1090.95,1304.02 -1107.92,1320.99 -1157.25,1320.99 -1339.25,1138.99 -1455.29,1138.99
NetFU4_9: FU4.9 FU5.3 | length 1345.4
  Top Layer w10: FU4.9@-1570,928.03 -1518.29,928.03 -1484.29,962.03 -1484.29,1056.29 -1435.59,1104.99 ; FU4.9@-1547.88,924.61 cw(c-1539.61,916.34) -1539.61,928.03 cw(c-1539.61,939.72) FU4.9@-1547.88,931.46 ; v1@-1420.95,1096.95 ccw(c-1435.59,1087.66) -1435.59,1104.99 ; v1@-1420.95,1113.03 cw(c-1435.59,1122.33) -1435.59,1104.99 ; v1(-1408.29,1104.99) -1435.59,1104.99 ; -856.02,987.13 cw(c-864.58,954.67) FU5.3@-835.57,971.57 ; v1@-854.02,1158.16 cw(c-872.84,1154.54) -859.29,1140.99 ; v1@-842.12,1146.26 ccw(c-845.74,1127.44) -859.29,1140.99 ; v1(-839.29,1160.99) -859.29,1140.99 ; FU5.3@-810,975 -859.29,987.99 -859.29,1140.99
  Bottom Layer w10: v1(-1408.29,1104.99) -1272.29,1104.99 -1216.29,1160.99 v1(-839.29,1160.99) ; v1@-1397.69,1094.39 cw(c-1372.08,1068.78) -1372.08,1104.99 cw(c-1372.08,1141.21) v1@-1397.69,1115.6 ; v1@-849.9,1150.39 ccw(c-875.51,1124.78) -875.51,1160.99 ccw(c-875.51,1197.21) v1@-849.9,1171.6
NetFU4_12: FU4.12 FU10.8 | length 1261.2
  Top Layer w10: FU4.12@-1506.49,820.23 ccw(c-1514.76,828.5) -1503.07,828.5 ccw(c-1491.38,828.5) FU4.12@-1499.65,820.23 ; FU4.12@-1503.07,798.11 -1503.07,834.69 -1387.29,950.47 ; v1@-1397.53,974.03 cw(c-1419.51,950.47) -1387.29,950.47 ; v1(-1387.29,984.99) -1387.29,950.47 ; v1@-1377.06,974.03 ccw(c-1355.07,950.47) -1387.29,950.47
  Bottom Layer w10: FU10.8@-1889.5,945 ccw(c-1952.27,945) -1907.89,989.38 ccw(c-1863.5,1033.77) FU10.8@-1863.5,971 ; FU10.8@-1879.5,945 ccw(c-1918.13,945) -1890.82,972.31 ccw(c-1863.5,999.63) FU10.8@-1863.5,961 ; FU10.8@-1863.5,945 -1909.29,990.79 -1909.29,1077.99 -1877.29,1109.99 -1650.53,1109.99 -1525.53,984.99 v1(-1387.29,984.99) ; v1@-1397.9,974.39 ccw(c-1423.51,948.78) -1423.51,984.99 ccw(c-1423.51,1021.21) v1@-1397.9,995.6
NetFU4_13: FU4.13 FU10.7 | length 1067.2
  Top Layer w10: FU4.13@-1475,820.23 ccw(c-1483.26,828.5) -1471.57,828.5 ccw(c-1459.88,828.5) FU4.13@-1468.15,820.23 ; FU4.13@-1471.57,798.11 -1471.57,833.71 -1354.29,950.99 v1(-1343.29,950.99) ; -1387.68,917.61 cw(c-1343.29,873.22) v1@-1343.29,935.99 ; -1370.61,934.68 cw(c-1343.29,907.36) v1@-1343.29,945.99
  Bottom Layer w10: FU10.7@-1863.5,1045 -1822.5,1003.99 ; FU10.7@-1862.58,1029.03 cw(c-1860.75,997.28) -1838.27,1019.77 cw(c-1815.79,1042.25) FU10.7@-1847.53,1044.08 ; FU10.7@-1862.01,1019.04 cw(c-1859.04,967.46) -1822.5,1003.99 ; FU10.7@-1837.55,1043.5 ccw(c-1785.96,1040.53) -1822.5,1003.99 ; v1@-1353.9,940.39 ccw(c-1379.51,914.78) -1379.51,950.99 ccw(c-1379.51,987.21) v1@-1353.9,961.6 ; v1(-1343.29,950.99) -1550.29,950.99 -1603.29,1003.99 -1822.5,1003.99
NetFU4_17: FU4.17
NetFU4_20: FU4.20 FU9.8 | length 1401.4
  Top Layer w10: FU9.8@-1721.97,743.03 cw(c-1762.94,702.06) -1705,702.06 cw(c-1647.06,702.06) FU9.8@-1688.03,743.03 ; FU9.8@-1714.9,750.1 cw(c-1738.8,726.2) -1705,726.2 cw(c-1671.2,726.2) FU9.8@-1695.1,750.1 ; FU9.8@-1705,760 -1705,530.7 -1495.79,321.49 -1273.8,321.49 -1251.1,344.18 -1251.1,502 -1258,508.9 -1258,618 -1251.1,624.9 FU4.20@-1251.1,798.11 ; FU4.20@-1254.53,775.99 cw(c-1262.79,767.72) -1251.1,767.72 cw(c-1239.41,767.72) FU4.20@-1247.68,775.99
NetFU4_21: FU4.21 FU10.9 | length 1710.7
  Top Layer w10: v1@-1282.5,1053.39 cw(c-1333.69,1002.19) -1261.29,1002.19 ; v1@-1275.43,1060.46 cw(c-1309.55,1026.34) -1261.29,1026.34 ; v1(-1271.89,1063.99) -1261.29,1053.39 -1261.29,922.99 -1219.61,881.31 FU4.21@-1219.61,798.11 ; FU4.21@-1223.03,820.23 ccw(c-1231.3,828.5) -1219.61,828.5 ccw(c-1207.92,828.5) FU4.21@-1216.18,820.23
  Bottom Layer w10: FU10.9@-1863.5,845 -1947.29,928.79 -1947.29,1121.99 -1759.29,1309.99 -1550.29,1309.99 -1525.29,1284.99 -1525.29,1137.69 -1451.6,1063.99 v1(-1271.89,1063.99) ; v1@-1282.5,1053.39 ccw(c-1308.1,1027.78) -1308.1,1063.99 ccw(c-1308.1,1100.21) v1@-1282.5,1074.6
NetFU4_26: FU4.26
NetFU4_27: FU4.27 FU9.4 | length 952.1
  Top Layer w10: v1@-1211.83,979.53 cw(c-1184.07,951.77) -1184.07,991.02 ; v1(-1208.29,975.99) -1193.26,991.02 ; v1@-1204.76,972.46 cw(c-1159.93,927.63) -1159.93,991.02 ; v1@-1201.85,989.54 ccw(c-1198.61,996.37) -1193.26,991.02 ; v1@-1197.69,965.39 cw(c-1135.79,903.49) FU4.27@-1135.79,991.02 ; v1@-1194.74,982.43 cw(c-1187.91,985.68) -1193.26,991.02 ; FU4.27@-1143.3,987.6 ccw(c-1151.57,979.33) -1151.57,991.02 ccw(c-1151.57,1002.71) FU4.27@-1143.3,994.45 ; FU4.27@-1121.18,991.02 -1193.26,991.02
  Bottom Layer w10: FU9.4@-1705,1160 -1666.3,1160 ; FU9.4@-1683.5,1149.33 cw(c-1666.3,1140.8) -1666.3,1160 ; FU9.4@-1683.5,1170.67 ccw(c-1666.3,1179.2) -1666.3,1160 ; v1@-1218.9,965.39 ccw(c-1244.51,939.78) -1244.51,975.99 ccw(c-1244.51,1012.21) v1@-1218.9,986.6 ; v1(-1208.29,975.99) -1288.29,975.99 -1331.29,1018.99 -1525.29,1018.99 -1666.3,1160
NetFU4_28: FU4.28 FU9.3 | length 965
  Top Layer w10: v1(-1195.29,1024.99) -1192.82,1022.52 FU4.28@-1121.18,1022.52 ; v1@-1184.69,1014.39 cw(c-1165.05,994.75) -1165.05,1022.52 ; v1@-1184.69,1035.6 ccw(c-1153.11,1067.17) -1153.11,1022.52 ; FU4.28@-1143.3,1019.1 ccw(c-1151.57,1010.83) -1151.57,1022.52 ccw(c-1151.57,1034.21) FU4.28@-1143.3,1025.94
  Bottom Layer w10: FU9.3@-1705,1260 -1657.28,1260 ; FU9.3@-1685.73,1245.69 cw(c-1657.29,1224.57) -1657.29,1260 ; FU9.3@-1685.73,1274.31 ccw(c-1657.29,1295.43) -1657.29,1260 ; v1@-1205.9,1014.39 ccw(c-1231.51,988.78) -1231.51,1024.99 ccw(c-1231.51,1061.21) v1@-1205.9,1035.6 ; v1(-1195.29,1024.99) -1299.61,1024.99 -1312.61,1037.99 -1462.29,1037.99 -1544.29,1119.99 -1544.29,1255.99 -1554.29,1265.99 -1651.29,1265.99 -1657.28,1260
NetFU4_29: FU4.29 FU8.4 | length 551.3
  Top Layer w10: FU4.29@-1121.18,1054.02 -1074.29,1054.02 -1051.29,1031.02 v1(-1051.29,946.99) ; FU4.29@-1099.06,1050.59 cw(c-1090.79,1042.33) -1090.79,1054.02 cw(c-1090.79,1065.71) FU4.29@-1099.06,1057.44 ; v1@-1061.9,957.6 ccw(c-1087.51,983.21) -1051.29,983.21 ccw(c-1015.08,983.21) v1@-1040.69,957.6
  Bottom Layer w10: v1@-1051.29,931.99 cw(c-1051.29,895.78) -1025.69,921.39 cw(c-1000.08,946.99) v1@-1036.29,946.99 ; v1(-1051.29,946.99) -1014.3,910 FU8.4@-955,910 ; FU8.4@-971.97,893.03 ccw(c-1012.94,852.06) -1012.94,910 ccw(c-1012.94,967.94) FU8.4@-971.97,926.97 ; FU8.4@-964.9,900.1 ccw(c-988.8,876.2) -988.8,910 ccw(c-988.8,943.8) FU8.4@-964.9,919.9
NetFU4_30: FU4.30 FU8.3 | length 608.1
  Top Layer w10: v1(-1173.29,1095.99) -1162.81,1085.51 FU4.30@-1121.18,1085.51 cw(c-1121.18,1136.54) v1@-1161.45,1105.2 ; v1@-1169.35,1099.06 ccw(c-1141.63,1120.63) FU4.30@-1141.63,1085.51 ; FU4.30@-1143.3,1082.09 ccw(c-1151.57,1073.82) -1151.57,1085.51 ccw(c-1151.57,1097.2) FU4.30@-1143.3,1088.94
  Bottom Layer w10: v1@-1173.29,1080.99 cw(c-1173.29,1044.78) -1147.69,1070.39 cw(c-1122.08,1095.99) v1@-1158.29,1095.99 ; v1(-1173.29,1095.99) -1087.3,1010 FU8.3@-955,1010 ; FU8.3@-971.97,993.03 ccw(c-1012.94,952.06) -1012.94,1010 ccw(c-1012.94,1067.94) FU8.3@-971.97,1026.97 ; FU8.3@-964.9,1000.1 ccw(c-988.8,976.2) -988.8,1010 ccw(c-988.8,1043.8) FU8.3@-964.9,1019.9
NetFU4_43: FU4.43 FU10.5 | length 2894.2
  Top Layer w10: FU4.43@-1475,1269.05 ccw(c-1483.26,1277.32) -1471.57,1277.32 ccw(c-1459.88,1277.32) FU4.43@-1468.15,1269.05 ; FU4.43@-1471.57,1246.93 -1471.57,1294.56 -1173.29,1592.84 v1(-1173.29,1667.99) ; v1@-1183.9,1657.39 cw(c-1209.51,1631.78) -1173.29,1631.78 cw(c-1137.08,1631.78) v1@-1162.69,1657.39
  Bottom Layer w10: FU10.5@-2395,945 -2294.29,1045.71 -2294.29,1334.99 -2318.29,1358.99 -2318.29,1632.99 -2091.34,1859.94 -1365.24,1859.94 v1(-1173.29,1667.99) ; FU10.5@-2395,961 ccw(c-2395,999.63) -2367.69,972.31 ccw(c-2340.37,945) FU10.5@-2379,945 ; FU10.5@-2395,971 ccw(c-2395,1033.77) -2350.62,989.38 ccw(c-2306.23,945) FU10.5@-2369,945 ; v1@-1188.29,1667.99 ccw(c-1224.51,1667.99) -1198.9,1693.6 ccw(c-1173.29,1719.21) v1@-1173.29,1682.99
NetFU4_44: FU4.44 FU10.6 | length 3215.6
  Top Layer w10: FU4.44@-1506.49,1269.05 ccw(c-1514.76,1277.32) -1503.07,1277.32 ccw(c-1491.38,1277.32) FU4.44@-1499.65,1269.05 ; FU4.44@-1503.07,1246.93 -1503.07,1332.21 v1(-1235.29,1599.99) ; v1@-1250.29,1599.99 cw(c-1286.51,1599.99) -1260.9,1574.39 cw(c-1235.29,1548.78) v1@-1235.29,1584.99
  Bottom Layer w10: FU10.6@-2421,1045 ccw(c-2483.77,1045) -2439.38,1089.38 ccw(c-2395,1133.77) FU10.6@-2395,1071 ; FU10.6@-2411,1045 ccw(c-2449.63,1045) -2422.31,1072.31 ccw(c-2395,1099.63) FU10.6@-2395,1061 ; FU10.6@-2395,1045 -2445.29,1095.29 -2445.29,1794.99 -2358.29,1881.99 -2075.29,1881.99 -1943.29,2013.99 -1484.29,2013.99 -1306.29,1835.99 -1139.29,1685.99 -1139.29,1634.99 -1174.29,1599.99 v1(-1235.29,1599.99) ; v1@-1224.69,1589.39 cw(c-1199.08,1563.78) -1199.08,1599.99 cw(c-1199.08,1636.21) v1@-1224.69,1610.6
NetFU10_12: FU10.12
pads on no net: FJ5.1 FJ5.11 FJ5.12 FJ5.13 FJ5.15 FJ5.16 FJ5.17 FJ5.18 FJ5.19 FJ5.20 FJ5.21 FJ5.22 FJ5.23 FJ5.24 FJ5.25 FJ5.26 FJ5.27 FJ5.28 FJ5.29 FJ5.31 FJ5.32 FJ5.33 FJ5.35 FJ5.36 FJ5.37 FJ5.39 FJ6.2 FJ6.5 FJ6.8 FJ6.11 FU3.4 FU4.5 FU4.15 FU4.22 FU4.23 FU4.34 FU4.35 FU4.36 FU4.37 FU4.38 FU4.40 FU4.41 FU9.1 FU9.2 FU9.5 FU9.6 FU9.7 FU10.3 FU10.4 FU10.10 FU10.11

## Polygon pours and split planes (outlines as drawn)
no net on Internal Plane 1 (split plane): -20.1,20.1 -2464.9,20.1 -2464.9,2149.9 -20.1,2149.9
no net on Internal Plane 2 (split plane): -20.1,20.1 -2464.9,20.1 -2464.9,2149.9 -20.1,2149.9

## Silkscreen, mask and mechanical layers (free items; w line width, h text height)
Top Overlay:
  text "AA" at -1760,560 h60
  text "FRZ_V01" at -2085,330 h133
Bottom Overlay:
  text "FRZ_V01" at -1865,1190 h133

## Text inside footprints (layer, text, board x,y; h text height)
FB1: Top Overlay "+" at -250,1625 h54 r180; Bottom Overlay "+" at -305,1595 h55 r180
FBT1: Top Overlay "左连右" at -245,600 h22 r90; Top Overlay "左连右" at -50,595 h22 r92.73
FC3: Top Overlay "+" at -1440,595 h39.37 r90; Bottom Overlay "+" at -1440,595 h39.37 r90
FD1: Top Overlay "+" at -1955,2035 h39.37; Bottom Overlay "+" at -1935,2030 h39.37
FJ3: Top Overlay "卡扣" at -640,450 h55; Top Overlay "卡扣" at -820,450 h55
FJ4: Top Overlay "卡扣" at -1195,450 h55; Top Overlay "卡扣" at -1375,450 h55
FLED1: Top Overlay "+" at -94,1779 h30 r270
FLED2: Top Overlay "+" at -94,1539 h30 r270
FR1: Top Overlay "+" at -1034,541 h30
FR2: Top Overlay "+" at -1249,541 h30
FR3: Bottom Overlay "+" at -81,1686 h30
FR4: Bottom Overlay "+" at -81,1386 h30
FR5: Top Overlay "+" at -336,266 h30 r90
FR6: Bottom Overlay "+" at -1281.37,585 h30 r270
FR7: Bottom Overlay "+" at -1164.71,585 h30 r270
FR8: Bottom Overlay "+" at -1021,1479 h30 r90
FR9: Bottom Overlay "+" at -915.8,1480.01 h30 r90
FR10: Top Overlay "+" at -1909,1519 h30 r270
FR11: Top Overlay "+" at -1909,1309 h30 r270
FR12: Top Overlay "+" at -361,1049 h30 r180
FR13: Top Overlay "+" at -361,900 h30 r180
FR14: Top Overlay "+" at -361,751 h30 r180
FR15: Bottom Overlay "+" at -566,711 h30
FU3: Bottom Overlay "1" at -1735,640 h44 r90; Bottom Overlay "2" at -1650,645 h44 r90; Bottom Overlay "3" at -1565,640 h44 r90
FU10: Top Overlay "1,GND" at -2355,525 h66; Top Overlay "2,SDN" at -2355,630 h66; Top Overlay "12,V3.3V" at -1905,560 h66 r180; Top Overlay "11,GPIO0" at -1905,661 h66 r180; Top Overlay "5,nSEL" at -2355,930 h66; Top Overlay "6,MOSI" at -2355,1030 h66; Top Overlay "7,MISO" at -1905,1065 h66 r180; Top Overlay "8,SCK" at -1905,964 h66 r180; Top Overlay "3,GPIO3" at -2355,725 h66; Top Overlay "9,nIRQ" at -1905,858.43 h66 r180; Top Overlay "4,GPIO2" at -2355,830 h66; Top Overlay "10,GPIO1" at -1905,762 h66 r180